# Altium PCB STM32-Nixie-v2.PcbDoc (part 2 of 3)
Units mm, origin at the board's own origin, x right, y up, seen from the top; angles counter-clockwise.
Board outline 339 x 57 mm, 2 copper layers (Top Layer, Bottom Layer); 367 components, 315 nets, 1212 pads, 270 vias.
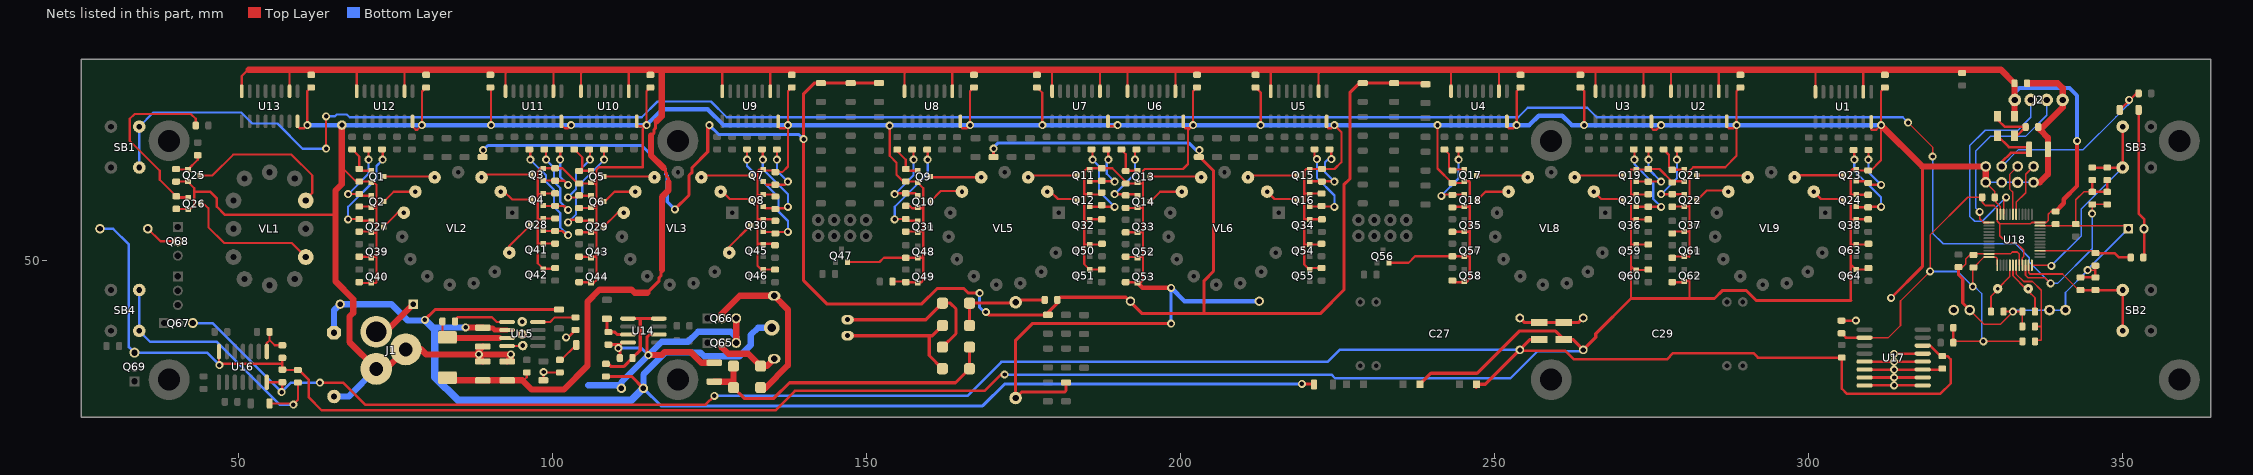
[diagram p2: the nets of this part, all layers, seen from the top]

## Via types
v1: diameter 1.27, hole 0.711, Top Layer to Bottom Layer, 270 vias

## Nets (pads, with @x,y where several pads share a name; then routed paths per layer and width w, separated by ;. In a path a pad name is that pad's centre, name@x,y a point inside that pad or via, vN(x,y) a via of type N, cw(c..) or ccw(c..) an arc to the next point about the centre after c; other vN are vias at no path point)
GND: Bu1.1 C1.2 C3.1 C4.1 C5.1 C6.1 C7.1 C8.1 C9.1 C10.1 C11.1 C12.1 C13.1 C14.1 C15.1 C16.1 C17.2 C18.2 C19.2 C20.2 C22.2 C23.1 C24.2 C25.2 C26.2 C28.2 C29.1 C30.1 C31.2 C32.1 C33.1 C34.1 C35.1 C36.2 C37.2 C38.2 C39.2 C40.2 C41.1 C42.1 C43.1 C44.1 C45.2 C46.1 D7.1 J1.1 J1.2 J2.1 LDR1.1 pad.16 pad.17 pad.18 pad.19 pad.20 pad.21 pad.22 pad.23 pad.27 pad.33 pad.34 pad.35 pad.36 Q1.2 Q2.2 Q3.2 Q4.2 Q5.2 Q6.2 Q7.2 Q8.2 Q9.2 Q10.2 Q11.2 Q12.2 Q13.2 Q14.2 Q15.2 Q16.2 Q17.2 Q18.2 Q19.2 Q20.2 Q21.2 Q22.2 Q23.2 Q24.2 Q25.2 Q26.2 Q27.2 Q28.2 Q29.2 Q30.2 Q31.2 Q32.2 Q33.2 Q34.2 Q35.2 Q36.2 Q37.2 Q38.2 Q39.2 Q40.2 Q41.2 Q42.2 Q43.2 Q44.2 Q45.2 Q46.2 Q47.2 Q48.2 Q49.2 Q50.2 Q51.2 Q52.2 Q53.2 Q54.2 Q55.2 Q56.2 Q57.2 Q58.2 Q59.2 Q60.2 Q61.2 Q62.2 Q63.2 Q64.2 Q65.3 Q66.3 Q69.3 R111.1 R115.1 R127.2 R129.2 R130.2 R131.2 R133.2 R138.2 R139.1 R140.2 R141.2 R142.2 R143.2 R144.2 R145.2 R146.2 R147.2 R148.2 R149.2 R150.2 R151.2 R152.2 R153.2 R154.2 R155.2 R156.2 R157.2 R158.2 R159.2 R160.2 R161.2 R162.2 R163.2 R164.2 R165.2 R166.2 R167.2 R168.2 R169.2 R170.2 R171.2 R172.2 R173.2 R174.2 R175.2 R176.2 R177.2 R178.2 R179.2 R180.2 R181.2 R182.2 R183.2 R184.2 R185.2 R186.2 R187.2 R188.2 R189.2 R190.2 R191.2 R192.2 R193.2 R194.2 R195.2 R196.2 R197.2 R198.2 R199.2 R200.2 U1.8 U2.8 U3.8 U4.8 U5.8 U6.8 U7.8 U8.8 U9.8 U10.8 U11.8 U12.8 U13.8 U14.4 U14.6 U15.4 U16.7 U17.5 U17.6 U17.7 U17.8 U17.9 U17.10 U17.11 U17.12 U17.13 U18.8 U18.23 U18.35 U18.47 VD9.2 VD12.2 | length 1690.1
  Top Layer w0.25: R127.2@323.829,48.9 324.5,48.9 325,49.4 325,50.2 325.637,50.838 C46.1@326.208,50.838 326.371,51 U18.47@328.7,51 332.1,51 332.4,51.3 333.2,51.3 333.5,51 U18.8@333.5,49.2 ; pad.17@325.62,42.06 327.88,39.8 330.5,39.8 v1(332.5,41.8) ; pad.20@328.16,62.38 329.6,60.94 C34.1@329.6,60 329.8,59.8 329.8,59.2 330.5,58.5 U18.35@330.5,57.3 ; C40.2@334,39.448 C39.2@334,41.827 ; R133.2@342.5,55.75 342.5,59.6 343.771,60.871 R129.2@345.121,60.871 ; v1(344.4,48.4) 345.529,48.4 345.629,48.3
  Top Layer w0.254: C36.2@331,41.827 C39.2@334,41.827 ; U18.23@336.8,55.5 350.361,55.5 LDR1.1@350.861,55
  Top Layer w0.35: R138.2@40.108,62.5 41.961,62.5 43,61.461 43,60.9 43,58.75 42.3,58.05 Q26.2@42.042,58.05 41.925,58.167 R139.1@40.15,58.167 ; U16.7@46.94,35.464 46.94,33.81 47.25,33.5 57.027,33.5 ; C32.1@57.027,34.451 57.027,33.5 ; U13.8@59.445,72.1 59.445,71.305 59.75,71 60.5,71 v1(61,71.5) 61,76.883 C3.1@61.617,77.5 ; C31.2@59.5,32.514 57.085,32.514 C28.2@57.027,32.572 57.027,33.5 ; 66.5,64.8 68.8,62.5 69.242,62.5 R141.2@69.265,62.523 70.979,62.523 Q1.2@71.157,62.346 71.654,62.346 72.036,61.964 72.036,58.5 ; R145.2@69.265,46.5 69.376,46.389 Q40.2@71.157,46.389 71.889,46.389 72.036,46.536 72.036,50.5 ; R144.2@69.265,50.555 71.98,50.555 72.036,50.5 ; R143.2@69.265,54.545 70.979,54.545 Q27.2@71.157,54.367 71.903,54.367 72.036,54.5 ; R142.2@69.265,58.534 70.979,58.534 Q2.2@71.157,58.356 71.892,58.356 72.036,58.5 ; U12.8@77.745,72.1 77.745,71.255 78.25,70.75 78.5,70.75 v1(79.25,71.5) 79.25,76.833 C4.1@79.917,77.5 ; C5.1@90.138,77.5 90.25,77.388 v1(90.25,71.5) ; U15.4@92.8,36.345 pad.35@95.245,36.345 ; R115.1@98.6,30.912 v1(98.6,32.2) 98.667,32.133 C24.2@101.2,32.133 ; R146.2@100.452,48.754 100.324,48.626 Q42.2@98.56,48.626 97.681,49.505 97.681,52.5 ; R147.2@100.452,52.633 97.814,52.633 97.681,52.5 ; R148.2@100.452,56.633 98.589,56.633 Q28.2@98.56,56.605 98.455,56.5 97.681,56.5 ; R149.2@100.452,60.633 98.599,60.633 Q4.2@98.56,60.594 98.466,60.5 97.681,60.5 ; U11.8@101.445,72.1 101.445,71.555 102,71 102.5,71 v1(103,71.5) ; v1(102.2,37.7) 102.504,37.7 C22.2@103.696,38.892 ; R151.2@104.057,62.193 101.617,64.633 R150.2@100.452,64.633 98.61,64.633 Q3.2@98.56,64.583 98.083,64.583 97.681,64.181 97.681,60.5 ; R155.2@104.265,46.5 106.045,46.5 Q44.2@106.157,46.389 106.611,46.389 107.036,46.813 107.036,50.657 ; R154.2@104.265,50.555 106.935,50.555 107.036,50.657 ; R153.2@104.265,54.435 106.97,54.435 107.036,54.5 ; R152.2@104.265,58.314 106.972,58.314 107.036,58.25 ; R151.2@104.265,62.193 106.004,62.193 Q5.2@106.157,62.346 106.654,62.346 107.036,61.964 ; U10.8@113.445,72.1 113.445,71.305 114.805,71.305 v1(115,71.5) ; C6.1@115.617,77.5 115,76.883 v1(115,71.5) ; Q46.2@133.25,48.5 132.681,49.069 132.681,52.75 ; Q46.2@133.56,48.493 133.567,48.5 R156.2@135.452,48.5 ; R157.2@135.452,52.621 132.81,52.621 132.681,52.75 ; R158.2@135.452,56.5 132.681,56.5 ; R159.2@135.452,60.461 Q8.2@133.56,60.461 133.44,60.341 132.681,60.341 ; R160.2@135.452,64.25 133.76,64.25 Q7.2@133.56,64.45 132.95,64.45 132.681,64.181 132.681,60.341 ; R160.2@135.5,64.017 136.617,64.017 137.5,64.9 v1(137.5,71.5) ; U9.8@135.945,72.1 135.945,71.305 136.25,71 137,71 v1(137.5,71.5) ; C7.1@138.117,77.5 137.5,76.883 v1(137.5,71.5) ; Q47.2@146.95,49.694 152.094,49.694 152.779,50.379 R164.2@156.265,50.379 158.915,50.379 159.036,50.5 ; v1(153.7,71.4) 153.7,66.6 154.8,65.5 154.8,63.6 155.9,62.5 156.242,62.5 R161.2@156.265,62.523 157.979,62.523 Q9.2@158.157,62.346 159.036,61.467 159.036,58.25 ; R140.2@154.136,46.6 156.165,46.6 R165.2@156.265,46.5 158.75,46.5 159.036,46.786 159.036,50.5 ; R163.2@156.265,54.545 158.991,54.545 159.036,54.5 ; R162.2@156.265,58.644 156.856,58.644 157.25,58.25 159.036,58.25 ; U8.8@164.945,72.1 164.945,71.305 165.25,71 166,71 v1(166.5,71.5) 166.5,76.883 C8.1@167.117,77.5 ; C9.1@177.138,77.5 178,76.638 v1(178,71.5) ; R166.2@187.452,48.5 187.445,48.493 Q51.2@185.56,48.493 184.681,49.372 184.681,52.5 ; R168.2@187.452,56.5 185.589,56.5 Q32.2@185.56,56.471 185.339,56.25 184.681,56.25 ; R169.2@187.452,60.754 187.159,60.461 Q12.2@185.56,60.461 185.521,60.5 184.681,60.5 ; R167.2@187.5,52.621 187.379,52.5 184.681,52.5 ; U7.8@188.445,72.1 188.445,71.305 189.805,71.305 v1(190,71.5) ; R175.2@191.265,46.5 Q53.2@193.157,46.5 ; R174.2@191.265,50.555 191.32,50.5 194.036,50.5 ; R173.2@191.265,54.435 193.97,54.435 194.036,54.5 ; R172.2@191.265,58.314 193.972,58.314 194.036,58.25 ; Q53.2@193.157,46.389 193.639,46.389 194.036,46.786 194.036,50.5 ; U6.8@200.445,72.1 200.445,71.305 200.75,71 201.5,71 ; C10.1@202.617,77.5 202,76.883 v1(202,71.5) 201.5,71 ; C11.1@211.938,77.5 212.75,76.688 v1(212.75,71.5) ; R176.2@222.452,48.742 220.259,48.742 219.681,49.319 219.681,52.5 ; R177.2@222.452,52.621 222.331,52.5 219.681,52.5 ; R179.2@222.452,60.621 219.81,60.621 219.681,60.75 ; R178.2@222.5,56.5 219.681,56.5 ; U5.8@223.245,72.1 223.245,71.255 223.5,71 224,71 v1(224.5,71.5) 225.6,70.4 225.6,65.6 224.5,64.5 R180.2@222.5,64.5 220,64.5 219.681,64.181 219.681,60.75 ; Q56.2@233.15,49.6 236.3,49.6 237.329,50.629 R184.2@243.265,50.629 245.915,50.629 246.036,50.75 ; v1(240.9,71.5) 240.9,64.6 243.25,62.25 243.248,62.25 R181.2@243.265,62.267 244.874,62.267 Q17.2@245.157,62.55 245.95,62.55 246.036,62.464 246.036,58.5 ; R185.2@243.265,46.5 245.5,46.5 246.036,47.036 246.036,50.75 ; R183.2@243.265,54.508 246.027,54.508 246.036,54.5 ; R182.2@243.265,58.388 243.377,58.5 246.036,58.5 ; U4.8@251.945,72.1 251.945,71.305 252.25,71 253,71 v1(253.5,71.5) 253.5,76.883 C12.1@254.117,77.5 ; C13.1@263.638,77.5 264.25,76.888 v1(264.25,71.5) ; 271.681,43.919 271.681,49.069 ; R186.2@274.452,48.5 274.402,48.45 Q60.2@272.56,48.45 272.3,48.45 271.681,49.069 ; R187.2@274.452,52.5 274.434,52.482 Q59.2@272.56,52.482 271.699,52.482 271.681,52.5 ; R188.2@274.452,56.5 274.423,56.471 Q36.2@272.56,56.471 272.532,56.5 271.681,56.5 ; R189.2@274.452,60.5 274.413,60.461 Q20.2@272.56,60.461 271.72,60.461 271.681,60.5 ; U3.8@274.945,72.1 274.945,71.055 275.25,70.75 275.75,70.75 v1(276.5,71.5) ; R195.2@278.265,46.5 280.064,46.5 Q62.2@280.157,46.593 280.593,46.593 281.036,47.036 281.036,44.073 ; R194.2@278.265,50.379 278.468,50.582 Q61.2@280.157,50.582 280.953,50.582 281.036,50.5 281.036,54.5 ; R192.2@278.265,58.5 278.326,58.561 Q22.2@280.157,58.561 280.975,58.561 281.036,58.5 ; R193.2@278.578,54.571 Q37.2@280.157,54.571 280.964,54.571 281.036,54.5 ; Q21.2@280.157,62.55 278.436,62.55 R191.2@278.265,62.379 278.265,62.485 276.25,64.5 R190.2@274.452,64.5 274.402,64.45 Q19.2@272.56,64.45 271.7,64.45 271.681,64.431 271.681,60.5 ; U2.8@286.945,72.1 286.945,71.305 287.25,71 288,71 v1(288.5,71.5) ; C14.1@289.117,77.5 288.5,76.883 v1(288.5,71.5) ; 306.681,43.6 306.681,49.32 ; R198.2@309.452,56.5 307.572,56.5 Q38.2@307.56,56.488 306.693,56.488 306.681,56.5 ; R199.2@309.452,60.41 307.628,60.41 Q24.2@307.56,60.477 306.818,60.477 306.681,60.341 ; R196.2@309.5,48.742 309.268,48.51 Q64.2@307.56,48.51 307.491,48.51 306.681,49.32 ; R197.2@309.5,52.621 309.378,52.499 Q63.2@307.56,52.499 306.682,52.499 306.681,52.5 ; U1.8@309.945,72 309.945,70.805 310,70.75 310.75,70.75 v1(311.5,71.5) ; C15.1@312.117,77.5 311.5,76.883 v1(311.5,71.5) ; 72.036,50.5 72.036,54.5 ; 72.036,54.5 72.036,58.5 ; 97.681,52.5 97.681,56.5 ; 97.681,56.5 97.681,60.5 ; 107.036,50.657 107.036,54.5 ; 107.036,54.5 107.036,58.25 ; 107.036,58.25 107.036,61.964 ; 107.036,61.964 107.036,64.4 107.436,64.8 114.4,64.8 114.4,70.9 v1(115,71.5) ; 132.681,52.75 132.681,56.5 ; 132.681,56.5 132.681,60.341 ; 159.036,50.5 159.036,54.5 ; 159.036,54.5 159.036,58.25 ; 184.681,52.5 184.681,56.25 ; 184.681,56.25 184.681,60.5 ; 184.681,60.5 184.681,64.181 185.133,64.633 R170.2@187.452,64.633 189.117,64.633 191.265,62.485 R171.2@191.265,62.193 191.286,62.214 194.036,62.214 ; 194.036,50.5 194.036,54.5 ; 194.036,54.5 194.036,58.25 ; 194.036,58.25 194.036,62.214 ; 194.036,62.214 194.036,64.236 194.3,64.5 200.4,64.5 201.2,65.3 201.2,70.7 201.5,71 ; 219.681,52.5 219.681,56.5 ; 219.681,56.5 219.681,60.75 ; 246.036,50.75 246.036,54.5 ; 246.036,54.5 246.036,58.5 ; 271.681,49.069 271.681,52.5 ; 271.681,52.5 271.681,56.5 ; 271.681,56.5 271.681,60.5 ; 281.036,54.5 281.036,58.5 ; 281.036,58.5 281.036,64.236 281.6,64.8 286.7,64.8 288.5,66.6 v1(288.5,71.5) ; 306.681,49.32 306.681,52.5 ; 306.681,52.5 306.681,56.5 ; 306.681,56.5 306.681,60.341 ; 306.681,60.341 306.681,64.181 306.967,64.467 Q23.2@307.56,64.467 307.738,64.289 R200.2@309.452,64.289 309.491,64.25 309.85,64.25 311.5,65.9 v1(311.5,71.5)
  Top Layer w0.4: 43,60.9 45.5,60.9 46.6,59.8 46.6,58.5 47.9,57.2 65.5,57.2 ; C31.2@59.7,32.5 61.2,31 61.2,28.2 63.3,26.1 135.5,26.1 138.6,29.2 168.8,29.2 171.4,31.8 v1(172,31.8) ; C30.1@305.2,40.379 v1@307.479,40.379 ; U17.8@308.875,30.055 U17.9@318.125,30.055 ; U17.7@308.875,31.325 U17.10@318.125,31.325 ; U17.6@308.875,32.595 U17.11@318.125,32.595 321.104,32.595 C33.1@321.25,32.741 ; U17.5@308.875,33.865 U17.12@318.125,33.865 ; v1(313.6,35.1) 313.635,35.135 U17.13@318.125,35.135 ; 335.288,78.15 335.6,78.15 ; R130.2@343.25,47.25 C43.1@345.629,47.25 345.629,48.3 C45.2@345.629,49.129 ; R131.2@345.121,62.75 R129.2@345.121,60.871 C44.1@347.5,60.871 C42.1@347.5,62.75
  Top Layer w0.5: C18.2@108.933,36.551 110.749,36.551 v1@110.75,36.55 ; C17.2@110.75,34.422 v1@110.75,36.55 ; U14.4@112.05,36.896 111.096,36.896 v1@110.75,36.55 ; v1(115.3,34.9) 115.1,35.1 115.1,37.8 115.466,38.166 U14.6@116.95,38.166 ; R111.1@181.76,30.543 181.76,29.24 181.519,29 174.69,29 C20.2@173.75,28.06 173.75,37.25 176.4,39.9 v1(198.5,39.9) ; VD9.2@238.1,30.25 239.85,32 247.2,32 253.9,38.7 259.7,38.7 VD12.2@261,37.4 262.427,37.4 C29.1@264.101,35.726 266.1,37.725 266.1,38.3 271.7,43.9 285,43.9 286.3,45.2 290,45.2 291.6,43.6 306.681,43.6 ; v1@313,43.9 318.08,48.98 318.08,64.92 ; R127.2@323.829,48.9 323.829,47.671 324.5,47 324.5,43.18 pad.17@325.62,42.06
  Top Layer w0.7: Q53.2@193.157,46.389 193.945,45.6 v1(198.5,45.6)
  Top Layer w1: pad.36@66.5,71.5 66.5,64.8 66.5,62.1 65.5,61.1 65.5,57.2 65.5,46.6 68.3,43.8 68.3,41.6 67.7,41 67.7,36.98 J1.1@71.98,32.7 73.58,32.7 J1.2@76.68,35.8 79.1,35.8 79.9,35 v1(88.3,35) ; C25.2@88.933,33.871 88.3,34.504 v1(88.3,35) ; C23.1@88.933,36.25 88.3,35.617 v1(88.3,35) ; C26.2@92.812,33.871 93.4,34.458 v1(93.4,35) v1(88.3,35) ; v1(115.3,34.9) 117.4,34.9 117.9,35.4 122,35.4 123.732,33.668 C19.2@125.775,33.668 C19.2@126.468,33.668 ; Q65.3@129.264,36.835 Q66.3@129.264,40.75 ; v1(311.5,71.5) 318.08,64.92 pad.27@328.16,64.92 pad.20@328.16,62.38 ; C41.1@334.75,78.15 335.288,78.15 ; 335.6,78.15 339.65,78.15 340.41,77.39 J2.1@340.41,75.5 340.41,74.356 336.817,70.762 338.067,69.512 C38.2@338.067,67.633 338.067,63.667 336.78,62.38 pad.23@335.78,62.38
  Bottom Layer w0.25: pad.20@328.16,62.38 pad.21@330.7,62.38 pad.22@333.24,62.38 pad.23@335.78,62.38 ; v1(332.5,41.8) 332.76,42.06 pad.18@338.32,42.06 pad.19@340.86,42.06 340.86,44.86 v1(344.4,48.4) 344.4,48.539 LDR1.1@350.861,55
  Bottom Layer w0.4: Bu1.1@28,55 30.1,55 32.6,52.5 32.6,36.18 Q69.3@33.5,35.28 45.02,35.28 v1(47,33.3) ; v1(172,31.8) 224,31.8 224.6,31.2 252.5,31.2 256.8,35.5 263.875,35.5 C29.1@264.101,35.726
  Bottom Layer w0.5: v1(110.5,36) 114.2,36 v1(115.3,34.9) ; v1(198.5,39.9) v1(198.5,45.6)
  Bottom Layer w0.7: v1(61,71.5) pad.36@66.5,71.5 v1(79.25,71.5) v1(90.25,71.5) v1(103,71.5) v1(115,71.5) 117.5,74 124.75,74 127.25,71.5 v1(137.5,71.5) v1(166.5,71.5) v1(178,71.5) v1(190,71.5) v1(202,71.5) v1(212.75,71.5) v1(224.5,71.5) v1(253.5,71.5) 255.5,71.5 257,73 260.75,73 262.25,71.5 v1(264.25,71.5) v1(276.5,71.5) v1(288.5,71.5) v1(311.5,71.5) ; v1(198.5,45.6) 200.627,43.473 C1.2@212.524,43.473
  Bottom Layer w1: D7.1@65.25,28.302 67.582,28.302 J1.1@71.98,32.7 ; 105.7,30.1 C16.1@110.5,30.1 ; C16.1@110.7,29.9 C16.1@111,29.6 111,30.6 117.4,37 121.6,37 123.2,38.6 128.4,38.6 129.264,37.736 Q65.3@129.264,36.835
  other v1: 313.6,30.055 313.6,31.325 313.6,32.595 313.6,33.865 307.5,40.4 313.1,44
NetBu1_2: Bu1.2 Q68.2 | length 5.6
  Top Layer w0.35: Bu1.2@35.62,55 37.62,53 Q68.2@40.391,53
NetC1_1: C1.1 R1.2 R2.2 R21.1 R23.1 R25.1 R27.1 R29.1 R31.1 R34.2 R104.2 R137.1 | length 316.8
  Top Layer w0.5: R34.2@88.917,66.418 88.917,67.417 v1(89,67.5) ; v1(119.5,58.1) 121.75,60.35 121.75,63.5 122.25,64 122.25,64.75 124.75,67.25 124.75,71.25 125,71 v1@125,71.75 ; R25.1@152,78.185 R23.1@147.5,78.185 R21.1@142.75,78.185 141.685,78.185 140,76.5 v1(140,69.25) 140,46.75 143.75,43 158.75,43 161.25,45.5 165.5,45.5 166.25,44.75 v1(168,44.75) ; v1(169,41.75) 169.449,41.301 R104.2@178.88,41.301 178.88,41.63 180.38,43.13 R137.1@180.38,43.681 180.8,44.1 191.3,44.1 193.9,41.5 222.25,41.5 226,45.25 226,62 227,63 227,76.75 228.435,78.185 R27.1@229,78.185 R29.1@234,78.185 238.823,78.185 R31.1@239,78.009 ; R1.2@170.246,66.418 170.246,67.746 v1(170.25,67.75) ; R2.2@203,66.518 v1(203,67.5) ; R2.2@203.082,66.418 205.25,64.25 205.25,48.25 203.75,46.75 203.75,41.5
  Bottom Layer w0.5: v1(89,67.5) 89.75,68.25 114.25,68.25 118,64.5 118,63.75 118.3,63.45 118.3,59.3 v1(119.5,58.1) ; v1(125,71.5) 126.5,70 139.25,70 v1(140,69.25) ; v1(168,44.75) 168,42.5 168.75,41.75 v1(169,41.75) ; v1(170.25,67.75) 170.25,68 170.889,68.639 201.361,68.639 202.5,67.5 v1(203,67.5)
NetC3_2: C3.2 C4.2 C5.2 C6.2 C7.2 C8.2 C9.2 C10.2 C11.2 C12.2 C13.2 C14.2 C15.2 C25.1 C26.1 C30.2 C34.2 C35.2 C41.2 C46.2 FB1.1 J2.4 L1.1 R114.1 R124.2 R125.2 R126.2 R128.2 U1.10 U1.16 U2.10 U2.16 U3.10 U3.16 U4.10 U4.16 U5.10 U5.16 U6.10 U6.16 U7.10 U7.16 U8.10 U8.16 U9.10 U9.16 U10.10 U10.16 U11.10 U11.16 U12.10 U12.16 U13.10 U13.16 U17.2 U18.1 U18.9 U18.24 U18.36 U18.48 | length 848.9
  Top Layer w0.25: U17.2@308.875,37.675 312.675,37.675 314.6,39.6 314.6,43.5 v1(319.3,48.2) 319.3,54 325.3,60 C34.2@327.6,60 327.6,59.2 328.1,58.7 329.5,58.7 330,58.2 U18.36@330,57.3 330,56.2 330.4,55.8 ; R124.2@322.992,36.871 323,36.879 323.189,37.068 v1(327.8,37.068) R128.2@334,37.068 ; v1(326.1,45.8) 326.1,48.729 C46.2@326.208,48.837 326.238,48.837 327.9,50.5 U18.48@328.7,50.5 ; U18.9@334,49.2 334,50.4 334.2,50.6 334.2,51.6 333,52.8 331.5,52.8 330.4,53.9 330.4,55.8 ; C35.2@339.292,57.75 338.55,57.75 338.1,57.3 338.1,56.3 337.8,56 U18.24@336.8,56 335.5,56 335.3,55.8 330.4,55.8
  Top Layer w0.254: U18.48@328.7,50.469 329.781,50.469 330,50.25 U18.1@330,49.2
  Top Layer w0.35: U13.16@50.455,77 U13.16@50.555,76.9 50.555,79.305 51.314,80.064 58.186,80.064 58.25,80 ; U13.10@58.175,76.9 58.175,79.925 58.25,80 ; U12.16@68.855,76.9 68.855,79.895 ; U12.10@76.475,76.9 76.475,79.975 76.5,80 ; U11.16@92.555,76.9 92.555,79.805 92.75,80 ; C26.1@92.812,30.871 95.471,30.871 95.942,31.342 R114.1@95.942,32.133 ; U11.10@100.175,76.9 100.175,79.925 100.25,80 ; U10.16@104.555,76.9 104.555,79.805 104.75,80 ; U10.10@112.175,76.9 112.175,79.925 112.25,80 ; U9.16@127.055,76.9 127.055,79.945 127,80 ; U9.10@134.675,76.9 134.675,79.925 134.75,80 ; U8.16@156.055,76.9 156.055,79.805 156.25,80 ; U8.10@163.675,76.9 163.675,79.925 163.75,80 ; U7.16@179.555,76.9 179.555,79.945 179.5,80 ; U7.10@187.175,76.9 187.175,79.925 187.25,80 ; U6.16@191.555,76.9 191.555,79.945 191.5,80 ; U6.10@199.175,76.9 199.175,79.925 199.1,80 ; U5.16@214.355,76.9 214.355,79.855 214.5,80 ; U5.10@221.975,76.9 221.975,79.725 222,79.75 222,80 ; U4.16@243.055,76.9 243.055,79.945 243,80 ; U4.10@250.675,76.9 250.675,79.925 250.75,80 ; U3.16@266.055,76.9 266.055,79.945 266,80 ; U3.10@273.675,76.9 273.675,79.925 273.75,80 ; U2.16@278.055,76.9 278.055,79.945 278,80 ; U2.10@285.675,76.9 285.675,79.925 285.75,80 ; U1.16@301.055,76.8 301.055,79.945 301,80 ; U1.10@308.675,76.8 308.675,80 301,80 ; 58.25,80 76.5,80 ; 76.5,80 92.75,80 ; 92.75,80 100.25,80 ; 100.25,80 104.75,80 ; 104.75,80 112.25,80 ; 112.25,80 117.4,80 127,80 ; 127,80 134.75,80 ; 134.75,80 156.25,80 ; 156.25,80 163.75,80 ; 163.75,80 179.5,80 ; 179.5,80 187.25,80 ; 187.25,80 191.5,80 ; 191.5,80 199.1,80 ; 199.1,80 214.5,80 ; 214.5,80 222,80 ; 222,80 243,80 ; 243,80 250.75,80 ; 250.75,80 266,80 ; 266,80 273.75,80 ; 273.75,80 278,80 ; 278,80 285.75,80 ; 285.75,80 301,80
  Top Layer w0.4: C30.2@305.2,38.379 305.904,37.675 U17.2@308.875,37.675 ; R124.2@323,36.879 R125.2@323,39.25
  Top Layer w0.5: 115.1,44.8 117,46.7 117,47.2 117.3,47.5 117.3,48.3 117.45,48.45 ; 115.7,69.8 116.2,70.3 116.2,70.8 116.4,71 116.4,71.9 116.6,72.1 ; 117.7,64.7 118,64.4 118,64 118.2,63.8 118.2,63.319 118.5,63.019 118.5,62.4
  Top Layer w0.7: C35.2@339.292,57.75 340.6,59.058 340.6,59.7 342.7,61.8 v1(342.7,69)
  Top Layer w1: 51.7,80.3 330.6,80.3 C41.2@332.65,78.25 ; L1.1@83.304,31.3 83.733,30.871 C25.1@88.933,30.871 C26.1@92.812,30.871 95.229,30.871 96.7,29.4 101.8,29.4 105.6,33.2 105.6,43.4 107.5,45.3 112.6,45.3 113.1,44.8 115.1,44.8 ; 115.7,69.8 115.7,66.7 117.7,64.7 ; 116.6,72.1 117.4,72.9 117.4,80 ; 117.45,48.45 117.45,60.05 118.5,61.1 118.5,62.4 ; FB1.1@332.75,73.1 C41.2@332.75,78.15
  Bottom Layer w0.25: v1(319.3,48.2) 323.7,48.2 v1(326.1,45.8) ; v1@326.1,46.1 327.5,44.7 327.5,37.368 v1(327.8,37.068)
  Bottom Layer w0.7: J2.4@332.79,75.5 332.79,76.69 333.5,77.4 341.5,77.4 342.7,76.2 v1(342.7,69)
NetC16_1: C16.2 C23.2 D7.2 F1.2 pad.30 R112.1 R116.2 R136.2 U15.2 | length 244.6
  Top Layer w0.5: v1(79.7,40.5) 81.342,42.142 R112.1@101.067,42.142 ; R136.2@108.533,31.5 112.6,31.5 C16.2@114.5,29.6 ; v1(219.3,30.3) 221.028,30.3 221.1,30.372 R116.2@221.25,30.222
  Top Layer w0.8: C23.2@88.2,39.2 90.5,39.2 90.815,38.885 U15.2@92.8,38.885
  Top Layer w1: v1(86.2,39.3) 88.883,39.3 C23.2@88.933,39.25
  Bottom Layer w0.5: C16.2@114.5,29.6 117.3,26.8 168.5,26.8 172,30.3 v1(219.3,30.3)
  Bottom Layer w1: D7.2@65.25,38.462 65.25,42.011 F1.2@66.235,42.996 74.404,42.996 77,40.4 79.8,40.4 79.9,40.4 81,39.3 v1(86.2,39.3) ; C16.2@114.5,29.6 114.5,31.8 118,35.3 123.572,35.3 124.172,34.7 129.8,34.7 131.6,36.5 131.6,38.1 132.75,39.25 pad.30@134.935,39.25
  Bottom Layer w1.2: v1(79.7,40.5) 79.8,40.4 81.3,38.9 81.3,31.4 85,27.7 112.6,27.7 C16.2@114.5,29.6
NetC17_1: C17.1 R136.1 U14.1 U14.8 | length 16.7
  Top Layer w0.5: R136.1@108.533,33.5 108.9,33.5 109.3,33.1 111.428,33.1 C17.1@112.75,34.422 114,35.672 114,40.506 114.2,40.706 ; U14.1@112.05,40.706 114.2,40.706 ; U14.8@116.95,40.706 114.2,40.706
NetC18_1: C18.1 R101.1 U14.3 | length 5.2
  Top Layer w0.5: C18.1@108.683,38.801 R101.1@108.683,40.681 ; C18.1@108.933,38.551 109.949,38.551 110.334,38.166 U14.3@112.05,38.166
NetC19_1: C19.1 D2.2 D3.2 D4.1 D6.1 | length 49.2
  Top Layer w0.5: D2.2@128.841,29.713 130.554,28 135.25,28 137.75,30.5 164.183,30.5 D6.1@166.409,32.726 D4.1@166.409,36.156
  Top Layer w1: C19.1@125.775,30.668 128.8,30.668 ; 128.832,30.668 D3.2@128.832,33.143
NetC20_1: C20.1 D1.2 D5.2 R137.2 | length 15.8
  Top Layer w0.5: D5.2@166.409,39.585 D1.2@166.409,43.156 173.606,43.156 C20.1@173.75,43.3 174.131,43.681 R137.2@178.38,43.681
NetC21_1: C21.1 L1.2 U15.3 | length 11.2
  Top Layer w0.35: C21.1@82.5,40.25 82.5,38.504 L1.2@83.152,37.852
  Top Layer w0.9: L1.2@83.389,37.615 U15.3@91.6,37.615
  Top Layer w1: L1.2@83.152,37.852 L1.2@83.304,37.7 L1.2@83.389,37.615
NetC21_2: C21.2 U15.1 | length 9
  Top Layer w0.35: C21.2@84.5,40.25 84.5,40.5 84.9,40.9 90.4,40.9 91.145,40.155 U15.1@92.8,40.155
NetC22_1: C22.1 U15.8 | length 6.3
  Top Layer w0.35: U15.8@97.7,40.155 99.655,40.155 100.392,40.892 C22.1@103.696,40.892
NetC24_1: C24.1 R113.1 | length 3.6
  Top Layer w0.35: C24.1@101.2,34.133 101.438,34.133 R113.1@103.817,36.513
NetC27_1: C27.2 C28.1 C33.2 Q67.3 R117.2 U16.14 U17.14 VD10.2 VD11.1 | length 324.2
  Top Layer w0.35: U16.14@54.56,30.564 57.019,30.564 C28.1@57.027,30.572
  Top Layer w0.4: v1(56.9,29) 57.027,29.127 C28.1@57.027,30.572 ; v1(63,30.5) 66.7,30.5 70.2,27 124.4,27 v1(125.8,28.4) ; VD10.2@247.1,29.7 VD10.2@247.1,30.25 ; C27.2@254,35.726 254.126,35.6 261.2,35.6 262.6,34.2 277.4,34.2 278.4,35.2 291.2,35.2 291.9,34.5 R117.2@305.25,34.5 305.25,29.55 306.1,28.7 320.9,28.7 322.6,30.4 322.6,34.2 322.059,34.741 C33.2@321.25,34.741 320.959,34.741 319.295,36.405 U17.14@318.125,36.405
  Top Layer w0.5: VD10.2@247.1,30.25 248.524,30.25 C27.2@254,35.726 255.674,37.4 VD11.1@257.101,37.4
  Bottom Layer w0.4: Q67.3@42.78,39.991 45.909,39.991 v1(56.9,29) 58.4,30.5 v1(63,30.5) ; v1(125.8,28.4) 166.1,28.4 171.5,33.8 223.4,33.8 225.326,35.726 C27.2@254,35.726
NetC27_2: C27.1 C29.2 VD11.2 VD12.1 | length 10.7
  Top Layer w0.5: C27.1@254,40.806 254.706,40.1 VD11.2@257.101,40.1 VD12.1@261,40.1 263.395,40.1 C29.2@264.101,40.806
NetC31_1: C31.1 R120.2 SB4.2 | length 43.4
  Top Layer w0.35: R120.2@55,27.197 58.947,27.197 59.5,27.75 C31.1@59.5,30.514
  Bottom Layer w0.4: SB4.2@34.25,45.25 SB4.2@34.25,38.75 36,37 46.6,37 56.6,27 v1(58.8,27)
NetC32_2: C32.2 R123.2 U16.1 | length 5.7
  Top Layer w0.35: U16.1@54.56,35.464 54.56,36.81 55,37.25 ; R123.2@55,38.58 55,37.25 ; C32.2@57.027,36.451 55.799,36.451 55,37.25
NetC36_1: C36.1 U18.5 ZQ1.2 | length 8.6
  Top Layer w0.254: C36.1@329,41.827 329,44.25 330.06,45.31 ZQ1.2@330.06,45.457 332,47.397 U18.5@332,49.2
NetC37_1: C37.1 FB1.2 FB2.1 | length 7.9
  Top Layer w0.4: FB1.2@330.05,72.912 330.05,72.35 331.2,71.2 C37.1@334.517,71.2 333.117,69.8 FB2.1@332.75,69.8 ; FB2.1@332.662,70.3 FB2.1@332.75,70.3
NetC38_1: C38.1 FB2.2 pad.26 R134.1 R135.2 | length 41.3
  Top Layer w0.4: FB2.2@330.05,69.8 331.85,68 334.7,68 C38.1@335.067,67.633 335.067,67.067 332.167,67.067 330.7,65.6 pad.26@330.7,64.92 ; R135.2@349.5,73.918 352.129,76.548 R134.1@352.5,76.548
  Bottom Layer w0.25: pad.26@330.7,64.92 333.38,67.6 343.7,67.6 348.9,72.8 350.35,74.25 351,74.9 v1(351,75.5)
NetC39_1: C39.1 U18.6 ZQ1.1 | length 9.1
  Top Layer w0.254: U18.6@332.5,49.2 332.5,47.5 334.543,45.457 ZQ1.1@334.94,45.457 334.94,45.06 336,44 C39.1@336,41.827
NetC40_1: C40.1 R128.1 U18.7 | length 16.3
  Top Layer w0.25: U18.7@333,49.2 333,47.8 334.2,46.6 335.6,46.6 337,45.2 337,37.3 336.95,37.25 R128.1@336,37.25 ; C40.1@336,39.448 336.948,39.448
NetC42_2: C42.2 R131.1 SB3.2 U18.12 | length 34.8
  Top Layer w0.25: U18.12@335.5,49.2 338.5,49.2 v1(338.6,49.1)
  Top Layer w0.4: R131.1@345.121,64.75 C42.2@347.5,64.75 SB3.2@349.963,64.75 SB3.2@349.963,71.25
  Bottom Layer w0.25: v1(338.6,49.1) 343.4,53.9 343.4,58.187 SB3.2@349.963,64.75
NetC43_2: C43.2 R130.1 SB2.2 U18.11 | length 23.8
  Top Layer w0.25: U18.11@335,49.2 335,48 335.2,47.8 340.4,47.8 342.95,45.25 R130.1@343.25,45.25 R130.1@343.5,45.25
  Top Layer w0.4: R130.1@343.5,45.25 C43.2@345.629,45.25 SB2.2@349.963,45.25 SB2.2@349.963,38.75
NetC44_2: C44.2 R129.1 SB1.2 U18.10 | length 366.7
  Top Layer w0.25: v1(315.8,71.9) 319.7,68 v1(319.7,66.5) ; U18.10@334.5,49.2 334.5,47.6 334.9,47.2 337.6,47.2 v1(338.5,46.3) ; v1(345.1,57.4) 345.1,58.85 R129.1@345.121,58.871 C44.2@347.5,58.871
  Top Layer w0.35: v1(64,67.75) v1(64,72.9)
  Bottom Layer w0.25: v1(319.7,66.5) 319.7,54.3 321.4,52.6 332.9,52.6 335.1,50.4 335.1,49.7 v1(338.5,46.3) 339.6,46.3 345.1,51.8 v1(345.1,57.4)
  Bottom Layer w0.35: SB1.2@34.25,64.75 SB1.2@34.25,71.25 36.5,73.5 50.5,73.5 52.25,71.75 56.25,71.75 60.25,67.75 v1(64,67.75) ; v1(64,72.9) 65.4,72.9 65.7,73.2 67.3,73.2 67.75,72.75 114.25,72.75 116.75,75.25 125.25,75.25 127.75,72.75 253.75,72.75 255.25,74.25 264.75,74.25 266.25,72.75 314.95,72.75 v1(315.8,71.9)
NetC45_1: C45.1 R132.2 U18.15 | length 14.9
  Top Layer w0.25: U18.15@336.8,51.5 345.259,51.5 C45.1@345.629,51.129
  Top Layer w0.4: C45.1@345.629,51.129 348.671,51.129 349.367,50.433 R132.2@351.25,50.433
NetD1_1: D1.1 D4.2 pad.28 | length 25.7
  Top Layer w0.5: pad.28@147,40.52 159.455,40.52 D1.1@162.091,43.156 163.344,43.156 164.25,42.25 164.25,38.315 D4.2@162.091,36.156
NetD2_1: D2.1 pad.31 Q66.2 | length 28.2
  Top Layer w0.5: D2.1@133.037,29.713 D2.1@133.159,29.713
  Top Layer w1: Q66.2@126.984,40.75 126.984,41.483 129.83,44.33 pad.31@135.316,44.33 137.5,42.146 137.5,33.25 133.963,29.713 D2.1@133.159,29.713
NetD3_1: D3.1 pad.32 Q65.2 | length 10.8
  Top Layer w1: Q65.2@126.984,36.835 126.984,36.117 128,35.1 131.193,35.1 D3.1@133.15,33.143 134.162,33.143 pad.32@135.316,34.297
NetD5_1: D5.1 D6.2 pad.29 | length 21.9
  Top Layer w0.5: pad.29@147,37.98 160,37.98 ; D6.2@162.091,32.726 160,34.817 160,37.98 ; D5.1@162.091,39.585 160.486,37.98 160,37.98
NetF1_1: F1.1 J1.3 | length 7.7
  Top Layer w1: J1.3@71.98,38.6 73.489,38.6 F1.1@77.885,42.996
NetGPS_1: pad.24 U18.30 | length 8.8
  Top Layer w0.25: U18.30@333,57.3 333,59.2 334.519,60.719 334.519,63.659 pad.24@335.78,64.92
NetGPS_2: pad.25 U18.31 | length 8.7
  Top Layer w0.25: U18.31@332.496,57 332.496,60.804 331.961,61.339 331.961,63.641 pad.25@333.24,64.92
NetJ2_2: J2.2 U18.37 | length 28.8
  Top Layer w0.25: v1(327.2,57.7) 327.2,56.6 327.8,56 U18.37@328.7,56
  Bottom Layer w0.25: v1(327.2,57.7) 326.6,58.3 326.6,67.4 328.9,69.7 334.5,69.7 337.87,73.07 J2.2@337.87,75.5
NetJ2_3: J2.3 U18.34 | length 36.1
  Top Layer w0.25: U18.34@331,57.3 331,59.6 v1(331.4,60)
  Bottom Layer w0.25: v1(331.4,60) 327.6,56.2 326.4,56.2 325.6,57 325.6,68.2 328.1,70.7 333.3,70.7 335.33,72.73 J2.3@335.33,75.5
NetLDR1_2: LDR1.2 R132.1 R135.1 | length 23.9
  Top Layer w0.4: R135.1@352.5,73.918 352.5,57.4 353.361,56.539 LDR1.2@353.361,55 353.361,50.544 R132.1@353.25,50.433
NetQ1_1: Q1.1 R35.1 R141.1 | length 5.6
  Top Layer w0.35: R35.1@68.133,67.633 69.265,66.501 R141.1@69.265,64.523 69.542,64.246 Q1.1@71.157,64.246
NetQ1_3: Q1.3 VL2.5 | length 8.2
  Top Layer w0.35: Q1.3@73.157,63.296 81.162,63.296 VL2.5@81.268,63.19
NetQ2_1: Q2.1 R36.1 R142.1 | length 12.3
  Top Layer w0.35: v1(67.5,60.5) 67.534,60.534 R142.1@69.265,60.534 69.542,60.256 Q2.1@71.157,60.256 ; R36.1@70.512,67.633 R36.1@70.65,67.495 ; v1(70.75,66) R36.1@70.75,67.495
  Bottom Layer w0.35: v1(67.5,60.5) 70.75,63.75 v1(70.75,66)
NetQ2_3: Q2.3 VL2.6 | length 5.7
  Top Layer w0.35: Q2.3@73.157,59.306 74.755,60.905 VL2.6@78.208,60.905
NetQ3_1: Q3.1 R37.1 R150.1 | length 10.4
  Top Layer w0.35: Q3.1@98.56,62.683 100.402,62.683 R150.1@100.452,62.633 101.867,62.633 v1(102.5,62) ; R37.1@101.104,67.633 101.25,67.487 v1(101.25,66)
  Bottom Layer w0.35: v1(101.25,66) 101.25,63.25 v1(102.5,62)
NetQ3_3: Q3.3 VL2.3 | length 8
  Top Layer w0.35: VL2.3@88.732,63.19 89.176,63.633 Q3.3@96.56,63.633
NetQ4_1: Q4.1 R38.1 R149.1 | length 15.4
  Top Layer w0.35: Q4.1@98.56,58.694 98.621,58.633 R149.1@100.452,58.633 101.867,58.633 v1(102.5,58) ; R38.1@98.724,67.633 99,67.358 v1(99,66)
  Bottom Layer w0.35: v1(99,66) 100.25,64.75 100.25,62.5 101.25,61.5 101.25,59.25 v1(102.5,58)
NetQ4_3: Q4.3 VL2.2 | length 5.3
  Top Layer w0.35: VL2.2@91.792,60.905 92.345,60.905 93.606,59.644 Q4.3@96.56,59.644
NetQ5_1: Q5.1 R39.1 R151.1 | length 6.1
  Top Layer w0.35: R39.1@103.483,67.633 104.75,66.366 104.75,64.678 R151.1@104.265,64.193 104.317,64.246 Q5.1@106.157,64.246
NetQ5_3: Q5.3 VL3.5 | length 8.2
  Top Layer w0.35: Q5.3@108.157,63.296 116.162,63.296 VL3.5@116.268,63.19
NetQ6_1: Q6.1 R40.1 R152.1 | length 13
  Top Layer w0.35: v1(102.5,60) 103.951,60 R152.1@104.265,60.314 104.322,60.256 Q6.1@106.157,60.256 ; R40.1@105.862,67.633 106,67.495 v1(106,66)
  Bottom Layer w0.35: v1(102.5,60) 103.75,61.25 103.75,63.75 v1(106,66)
NetQ6_3: Q6.3 VL3.6 | length 5.7
  Top Layer w0.35: Q6.3@108.157,59.306 108.306,59.306 109.905,60.905 VL3.6@113.208,60.905
NetQ7_1: Q7.1 R41.1 R160.1 | length 10.2
  Top Layer w0.35: Q7.1@133.56,62.55 134.11,62 137,62 v1(137.5,62.5) ; v1(135.75,66) R41.1@135.75,67.633
  Bottom Layer w0.35: v1(135.75,66) 135.75,64.25 v1(137.5,62.5)
NetQ7_3: Q7.3 VL3.3 | length 8
  Top Layer w0.35: VL3.3@123.732,63.19 124.043,63.5 Q7.3@131.56,63.5
NetQ8_1: Q8.1 R42.1 R159.1 | length 15
  Top Layer w0.35: R42.1@133.371,67.633 133.5,67.504 v1(133.5,66) ; Q8.1@133.56,58.561 133.871,58.25 137.25,58.25 v1(137.5,58.5)
  Bottom Layer w0.35: v1(133.5,66) 133.5,64.5 137.5,60.5 v1(137.5,58.5)
NetQ8_3: Q8.3 VL3.2 | length 5.3
  Top Layer w0.35: VL3.2@126.792,60.905 127.095,60.905 128.25,59.75 131.321,59.75 Q8.3@131.56,59.511
NetQ9_1: Q9.1 R43.1 R161.1 | length 5.6
  Top Layer w0.35: R43.1@154.983,67.633 154.983,67.267 156.265,65.985 R161.1@156.265,64.523 156.542,64.246 Q9.1@158.157,64.246
NetQ9_3: Q9.3 VL5.5 | length 8.2
  Top Layer w0.35: Q9.3@160.157,63.296 160.263,63.19 VL5.5@168.268,63.19
NetQ10_1: Q10.1 R44.1 R162.1 | length 12.3
  Top Layer w0.35: v1(154.5,60.5) 154.644,60.644 R162.1@156.265,60.644 157.769,60.644 Q10.1@158.157,60.256 ; R44.1@157.362,67.633 157.5,67.495 v1(157.5,66)
  Bottom Layer w0.35: v1(154.5,60.5) 157.5,63.5 v1(157.5,66)
NetQ10_3: Q10.3 VL5.6 | length 5.8
  Top Layer w0.35: Q10.3@160.157,59.306 161.85,61 165.112,61 VL5.6@165.208,60.905
NetQ11_1: Q11.1 R45.1 R170.1 | length 9.9
  Top Layer w0.35: Q11.1@185.56,62.55 189.45,62.55 v1(189.5,62.5) ; R45.1@188.121,67.633 188.5,67.254 v1(188.5,66)
  Bottom Layer w0.35: v1(188.5,66) 188.25,65.75 188.25,63.75 v1(189.5,62.5)
NetQ11_3: Q11.3 VL5.3 | length 8
  Top Layer w0.35: VL5.3@175.732,63.19 176.043,63.5 Q11.3@183.56,63.5
NetQ12_1: Q12.1 R46.1 R169.1 | length 14.7
  Top Layer w0.35: Q12.1@185.56,58.561 185.621,58.5 v1(189.5,58.5) ; R46.1@185.741,67.633 186,67.375 v1(186,66)
  Bottom Layer w0.35: v1(186,66) 187,65 187,61 v1(189.5,58.5)
NetQ12_3: Q12.3 VL5.2 | length 5.3
  Top Layer w0.35: VL5.2@178.792,60.905 179.345,60.905 180.5,59.75 183.321,59.75 Q12.3@183.56,59.511
NetQ13_1: Q13.1 R47.1 R171.1 | length 5.7
  Top Layer w0.35: R47.1@190.5,67.633 191.265,66.868 R171.1@191.265,64.193 191.317,64.246 Q13.1@193.157,64.246
NetQ13_3: Q13.3 VL6.5 | length 8.2
  Top Layer w0.35: Q13.3@195.157,63.296 203.162,63.296 VL6.5@203.268,63.19
NetQ14_1: Q14.1 R48.1 R172.1 | length 12.3
  Top Layer w0.35: v1(189.5,60.5) 192.913,60.5 Q14.1@193.157,60.256 ; v1(192.75,66) 192.75,67.504 R48.1@192.879,67.633
  Bottom Layer w0.35: v1(189.5,60.5) 192.75,63.75 v1(192.75,66)
NetQ14_3: Q14.3 VL6.6 | length 5.7
  Top Layer w0.35: Q14.3@195.157,59.306 196.755,60.905 VL6.6@200.208,60.905
NetQ15_1: Q15.1 R49.1 R180.1 | length 10.8
  Top Layer w0.35: Q15.1@220.56,62.55 224.45,62.55 v1(224.5,62.5) ; R49.1@223.7,67.633 224,67.333 224,66.3 223.8,66.1 v1(224,66.1)
  Bottom Layer w0.35: v1(224,66.1) 223.5,66.1 223,65.6 223,64 v1(224.5,62.5)
NetQ15_3: Q15.3 VL6.3 | length 8
  Top Layer w0.35: VL6.3@210.732,63.19 211.043,63.5 Q15.3@218.56,63.5
NetQ16_1: Q16.1 R50.1 R179.1 | length 14.6
  Top Layer w0.35: Q16.1@220.56,58.561 224.439,58.561 v1(224.5,58.5) ; R50.1@221.321,67.633 221.321,66.221 221.441,66.1 v1(221.7,66.1)
  Bottom Layer w0.35: v1(221.7,66.1) 221.7,63.1 224.5,60.3 v1(224.5,58.5)
NetQ16_3: Q16.3 VL6.2 | length 5.3
  Top Layer w0.35: VL6.2@213.792,60.905 214.947,59.75 218.321,59.75 Q16.3@218.56,59.511
NetQ17_1: Q17.1 R51.1 R181.1 | length 5.9
  Top Layer w0.35: R51.1@242,67.633 242.75,66.883 242.75,64.782 R181.1@243.265,64.267 243.448,64.45 Q17.1@245.157,64.45
NetQ17_3: Q17.3 VL8.5 | length 8.2
  Top Layer w0.35: Q17.3@247.157,63.5 254.957,63.5 VL8.5@255.268,63.19
NetQ18_1: Q18.1 R52.1 R182.1 | length 12.3
  Top Layer w0.35: v1(241.5,60.25) 241.711,60.461 Q18.1@245.157,60.461 ; v1(244.25,66) 244.25,67.504 R52.1@244.379,67.633
  Bottom Layer w0.35: v1(241.5,60.25) 244.25,63 v1(244.25,66)
NetQ18_3: Q18.3 VL8.6 | length 5.6
  Top Layer w0.35: Q18.3@247.157,59.511 248.551,60.905 VL8.6@252.208,60.905
NetQ19_1: Q19.1 R53.1 R190.1 | length 9.9
  Top Layer w0.35: Q19.1@272.56,62.55 272.61,62.5 R190.1@274.452,62.5 v1(276.5,62.5) ; v1(274.5,66) 274.5,67.616 R53.1@274.517,67.633
  Bottom Layer w0.35: v1(274.5,66) 274.5,64.5 v1(276.5,62.5)
NetQ19_3: Q19.3 VL8.3 | length 8
  Top Layer w0.35: VL8.3@262.732,63.19 263.043,63.5 Q19.3@270.56,63.5
NetQ20_1: Q20.1 R54.1 R189.1 | length 14.9
  Top Layer w0.35: R54.1@272.138,67.633 272.25,67.521 v1(272.25,66) ; Q20.1@272.56,58.561 272.621,58.5 R189.1@274.452,58.5 v1(276.5,58.5)
  Bottom Layer w0.35: v1(272.25,66) 272.25,65.25 275.25,62.25 275.25,59.75 v1(276.5,58.5)
NetQ20_3: Q20.3 VL8.2 | length 5.3
  Top Layer w0.35: VL8.2@265.792,60.905 266.947,59.75 270.321,59.75 Q20.3@270.56,59.511
NetQ21_1: Q21.1 R55.1 R191.1 | length 5.8
  Top Layer w0.35: R55.1@276.896,67.633 276.896,67.604 277.75,66.75 277.75,64.894 R191.1@278.265,64.379 279.986,64.379 280.107,64.5 Q21.1@280.157,64.45
NetQ21_3: Q21.3 VL9.5 | length 8.2
  Top Layer w0.35: Q21.3@282.157,63.5 289.957,63.5 VL9.5@290.268,63.19
NetQ22_1: Q22.1 R56.1 R192.1 | length 12
  Top Layer w0.35: v1(276.5,60.5) R192.1@278.265,60.5 280.117,60.5 Q22.1@280.157,60.461 ; v1(279,66) 279,67.358 R56.1@279.276,67.633
  Bottom Layer w0.35: v1(276.5,60.5) 279,63 v1(279,66)
NetQ22_3: Q22.3 VL9.6 | length 5.8
  Top Layer w0.35: Q22.3@282.157,59.511 283.75,61.104 287.008,61.104 VL9.6@287.208,60.905
NetQ23_1: Q23.1 R57.1 R200.1 | length 10.5
  Top Layer w0.35: Q23.1@307.56,62.567 309.174,62.567 R200.1@309.452,62.289 309.741,62 v1(311.5,62) ; v1(309.5,66) R57.1@309.5,67.533
  Bottom Layer w0.35: v1(309.5,66) 309.5,64 v1(311.5,62)
NetQ23_3: Q23.3 VL9.3 | length 8
  Top Layer w0.35: VL9.3@297.732,63.19 298.059,63.517 Q23.3@305.56,63.517
NetQ24_1: Q24.1 R58.1 R199.1 | length 14.9
  Top Layer w0.35: R58.1@307.121,67.533 307.25,67.404 v1(307.25,66) ; Q24.1@307.56,58.577 307.728,58.41 R199.1@309.452,58.41 309.542,58.5 v1(311.5,58.5)
  Bottom Layer w0.35: v1(307.25,66) 307.25,64.25 311.5,60 v1(311.5,58.5)
NetQ24_3: Q24.3 VL9.2 | length 5.3
  Top Layer w0.35: VL9.2@300.792,60.905 301.947,59.75 305.338,59.75 Q24.3@305.56,59.527
NetQ25_1: Q25.1 R32.2 R138.1 | length 4.8
  Top Layer w0.35: R138.1@40.108,64.5 40.169,64.439 Q25.1@42,64.439 43.554,65.994 R32.2@43.554,66.706
NetQ25_3: Q25.3 VL1.10 | length 25.5
  Top Layer w0.35: Q25.3@44,63.489 45.889,63.489 49.2,66.8 58.5,66.8 61.8,63.5 61.8,60.7 VL1.10@60.5,59.4 ; VL1.10@60.552,59.7 VL1.10@60.751,59.501
NetQ26_1: Q26.1 R33.1 R139.2 | length 29.6
  Top Layer w0.35: R139.2@40.15,60.167 37.5,62.817 37.5,64.25 32.75,69 32.75,72.5 33.5,73.25 42.5,73.25 43.25,72.5 R33.1@43.25,71.442
  Top Layer w0.5: R139.2@40.15,60.167 40.367,59.95 Q26.1@42.042,59.95
NetQ26_3: Q26.3 VL1.8 | length 22
  Top Layer w0.35: Q26.3@44.042,59 44.5,59 45.25,58.25 45.25,55.25 47.75,52.75 58.5,52.75 VL1.8@60.751,50.499
NetQ27_1: Q27.1 R59.1 R143.1 | length 17.2
  Top Layer w0.35: v1(67.5,56.5) 67.545,56.545 R143.1@69.265,56.545 69.542,56.267 Q27.1@71.157,56.267 ; R59.1@72.891,67.633 R59.1@72.9,67.625 ; v1(73,66) R59.1@73,67.625
  Bottom Layer w0.35: v1(67.5,56.5) 67.5,58.5 72,63 72,65 v1(73,66)
NetQ27_3: Q27.3 VL2.7 | length 4.1
  Top Layer w0.35: Q27.3@73.157,55.317 75.396,57.556 VL2.7@76.371,57.556
NetQ28_1: Q28.1 R61.1 R148.1 | length 20.4
  Top Layer w0.35: R61.1@96.345,67.633 96.5,67.478 v1(96.5,66) ; Q28.1@98.56,54.705 98.632,54.633 R148.1@100.452,54.633 101.617,54.633 102.25,54 v1(102.5,54)
  Bottom Layer w0.35: v1(96.5,66) 99,63.5 99,62.5 100.25,61.25 100.25,58.5 101.25,57.5 101.25,55.25 v1(102.5,54)
NetQ28_3: Q28.3 VL2.14 | length 5.9
  Top Layer w0.35: VL2.14@93.157,51.196 93.157,52.251 Q28.3@96.56,55.655
NetQ29_1: Q29.1 R63.1 R153.1 | length 17.9
  Top Layer w0.35: v1(102.5,56) 102.935,56.435 R153.1@104.265,56.435 104.432,56.267 Q29.1@106.157,56.267 ; R63.1@108.241,67.633 108.25,67.625 v1(108.25,66)
  Bottom Layer w0.35: v1(102.5,56) 103.75,57.25 103.75,59.75 104.75,60.75 104.75,62.5 v1(108.25,66)
NetQ29_3: Q29.3 VL3.7 | length 4.1
  Top Layer w0.35: Q29.3@108.157,55.317 110.396,57.556 VL3.7@111.371,57.556
NetQ30_1: Q30.1 R65.1 R158.1 | length 19.8
  Top Layer w0.35: R65.1@130.991,67.633 131,67.625 v1(131,66) ; Q30.1@133.56,54.571 133.632,54.5 v1(137.5,54.5)
  Bottom Layer w0.35: v1(131,66) 131,65 136,60 136,57.75 137.5,56.25 v1(137.5,54.5)
NetQ30_3: Q30.3 VL3.14 | length 5.7
  Top Layer w0.35: VL3.14@128.157,51.196 128.157,52.118 Q30.3@131.56,55.521
NetQ31_1: Q31.1 R68.1 R163.1 | length 17.1
  Top Layer w0.35: v1(154.5,56.5) 154.545,56.545 R163.1@156.265,56.545 156.542,56.267 Q31.1@158.157,56.267 ; R68.1@159.741,67.633 159.75,67.625 v1(159.75,66)
  Bottom Layer w0.35: v1(154.5,56.5) 154.5,58.5 159.75,63.75 v1(159.75,66)